# Altium PCB MOTOR SECOND.PcbDoc (part 3 of 4)
Units mil, origin at the board's own origin, x right, y up, seen from the top; angles counter-clockwise.
Board outline 3164.64 x 1945.03 mil, 2 copper layers (Top Layer, Bottom Layer); 69 components, 47 nets, 203 pads, 228 vias.
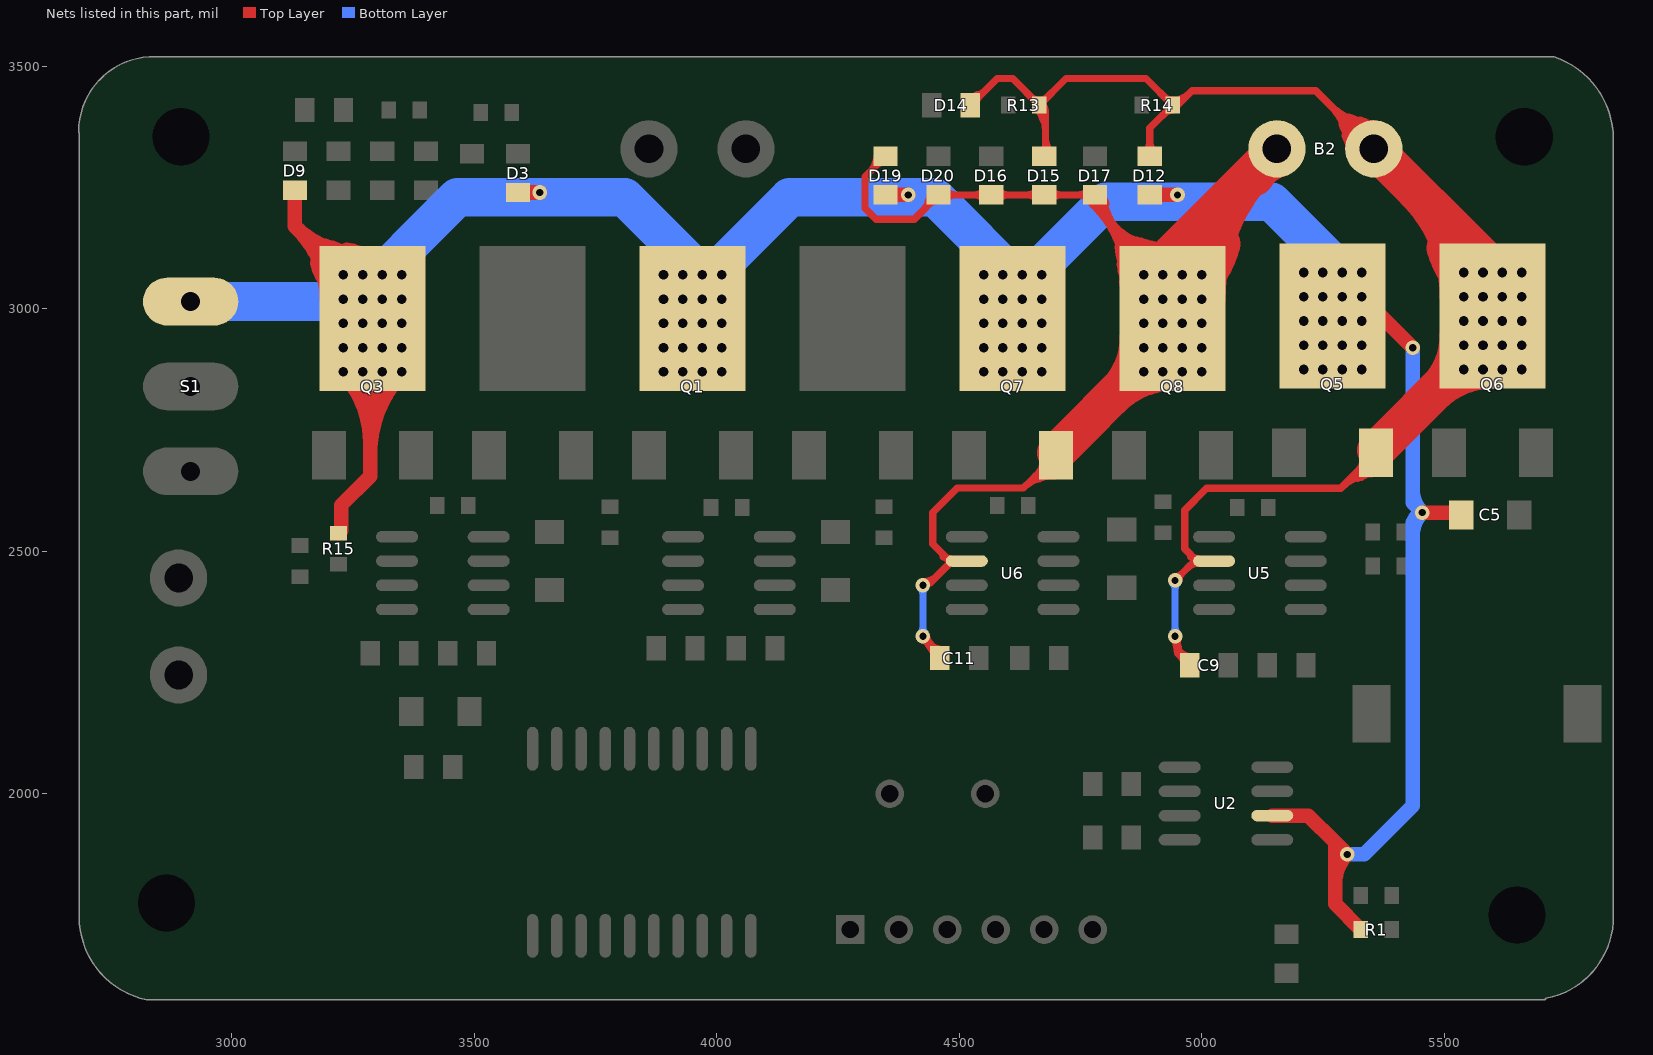
[diagram p3: the nets of this part, all layers, seen from the top]

## Via types
v1: diameter 31.5, hole 19.68, Top Layer to Bottom Layer, 160 vias
v2: diameter 30, hole 15, Top Layer to Bottom Layer, 68 vias

## Nets (pads, with @x,y where several pads share a name; then routed paths per layer and width w, separated by ;. In a path a pad name is that pad's centre, name@x,y a point inside that pad or via, vN(x,y) a via of type N, cw(c..) or ccw(c..) an arc to the next point about the centre after c; other vN are vias at no path point) (continued)
OUT1: B2.2 C11.2 D15.1 D16.1 D17.2 D19.1 D20.2 Q7.3 Q8.2 U6.6 | length 21023.9
  Top Layer w15: D19.1@4348,3315 4305.5,3272.5 4305.5,3207.75 4328.25,3185 4407,3185 D20.2@4457,3235 D16.1@4566,3235 D15.1@4675,3235 D17.2@4773,3235 ; v2(4425,2325) 4445,2295 C11.2@4460,2280 ; 4440,2435 4482.5,2477.5 4445,2515 4445,2580 4495.77,2630.77 4632.26,2630.77 ; 4472.75,2486.51 ccw(c4479.43,2492.39) U6.6@4482.52,2484.04 ; Q7.3@4699.76,2698.27 4632.26,2630.77 ; D17.2@4780,3235 4780,3210 ; D17.2@4796.9,3231.16 ccw(c4827.98,3221.13) 4804.88,3198.04 ; Q8.2@4859.38,3040.6 cw(c4847.66,3019.54) Q8.2@4871.75,3019.88 ; Q8.2@4866.7,3007.67 ccw(c4913.36,3014.18) Q8.2@4884.97,2976.58 ; v1(4920,3070) 4780,3210 ; Q8.2@4928.47,3094.54 cw(c4907.53,3052.33) Q8.2@4952.18,3067.37 ; Q8.2@4943.06,3106.18 ccw(c4988.85,3117.25) Q8.2@4964.3,3077.04 ; Q8.2@4968.25,3069.89 ccw(c5007.42,3069.36) Q8.2@4981.24,3040.21 ; Q8.2@4973.91,3047.12 ccw(c5010.81,3071.15) Q8.2@5001.7,3028.07 ; Q8.2@4982.35,3046.46 cw(c4962.96,3024.77) Q8.2@4991.82,3021.05 ; 4318.13,3285.13 ccw(c4288.25,3315) D19.1@4330.5,3315 ; 4318.13,3285.13 ccw(c4288.25,3315) D19.1@4330.5,3315 ; 4318.13,3285.13 ccw(c4288.25,3315) D19.1@4330.5,3315 ; D19.1@4326.7,3300.81 cw(c4349.95,3294.58) D19.1@4342.19,3317.37 ; D19.1@4326.7,3300.81 cw(c4349.95,3294.58) D19.1@4342.19,3317.37 ; D19.1@4326.7,3300.81 cw(c4349.95,3294.58) D19.1@4342.19,3317.37 ; D19.1@4330.2,3297.2 cw(c4343,3284.39) D19.1@4343,3302.5 ; D19.1@4330.2,3297.2 cw(c4343,3284.39) D19.1@4343,3302.5 ; D19.1@4330.2,3297.2 cw(c4343,3284.39) D19.1@4343,3302.5 ; v2@4423.53,2317.65 cw(c4419.98,2299.89) 4435.04,2309.93 ; v2@4423.53,2317.65 cw(c4419.98,2299.89) 4435.04,2309.93 ; v2@4423.53,2317.65 cw(c4419.98,2299.89) 4435.04,2309.93 ; v2@4425,2437.5 ccw(c4425,2479.75) 4454.87,2449.87 ; v2@4425,2437.5 ccw(c4425,2479.75) 4454.87,2449.87 ; v2@4425,2437.5 ccw(c4425,2479.75) 4454.87,2449.87 ; 4427.13,3205.13 ccw(c4397.25,3235) D20.2@4439.5,3235 ; 4427.13,3205.13 ccw(c4397.25,3235) D20.2@4439.5,3235 ; 4427.13,3205.13 ccw(c4397.25,3235) D20.2@4439.5,3235 ; v2@4428.21,2320.19 ccw(c4473.01,2350.06) C11.2@4462.45,2297.26 ; v2@4428.21,2320.19 ccw(c4473.01,2350.06) C11.2@4462.45,2297.26 ; v2@4428.21,2320.19 ccw(c4473.01,2350.06) C11.2@4462.45,2297.26 ; v2@4432.35,2323.53 ccw(c4450.11,2319.98) 4435.04,2309.93 ; v2@4432.35,2323.53 ccw(c4450.11,2319.98) 4435.04,2309.93 ; v2@4432.35,2323.53 ccw(c4450.11,2319.98) 4435.04,2309.93 ; v2@4432.48,2325.48 ccw(c4455.65,2326.98) 4440.33,2309.54 ; v2@4432.48,2325.48 ccw(c4455.65,2326.98) 4440.33,2309.54 ; v2@4432.48,2325.48 ccw(c4455.65,2326.98) 4440.33,2309.54 ; v2@4432.48,2325.48 ccw(c4455.65,2326.98) 4440.33,2309.54 ; v2@4432.48,2325.48 ccw(c4455.65,2326.98) 4440.33,2309.54 ; v2@4432.48,2325.48 ccw(c4455.65,2326.98) 4440.33,2309.54 ; D20.2@4435.7,3220.81 cw(c4458.95,3214.58) D20.2@4451.19,3237.37 ; D20.2@4435.7,3220.81 cw(c4458.95,3214.58) D20.2@4451.19,3237.37 ; D20.2@4435.7,3220.81 cw(c4458.95,3214.58) D20.2@4451.19,3237.37 ; D20.2@4439.2,3217.2 cw(c4452,3204.39) D20.2@4452,3222.5 ; D20.2@4439.2,3217.2 cw(c4452,3204.39) D20.2@4452,3222.5 ; D20.2@4439.2,3217.2 cw(c4452,3204.39) D20.2@4452,3222.5 ; 4467,2488.87 cw(c4461.66,2468.94) U6.6@4480.15,2478.09 ; 4467,2488.87 cw(c4461.66,2468.94) U6.6@4480.15,2478.09 ; 4467,2488.87 cw(c4461.66,2468.94) U6.6@4480.15,2478.09 ; 4469.8,2490.2 ccw(c4484.02,2504.41) U6.6@4484.02,2484.31 ; 4469.8,2490.2 ccw(c4484.02,2504.41) U6.6@4484.02,2484.31 ; 4469.8,2490.2 ccw(c4484.02,2504.41) U6.6@4484.02,2484.31 ; D20.2@4470.84,3226.16 cw(c4492.18,3204.82) 4492.18,3235 ; D20.2@4470.84,3226.16 cw(c4492.18,3204.82) 4492.18,3235 ; D20.2@4470.84,3226.16 cw(c4492.18,3204.82) 4492.18,3235 ; D20.2@4470.84,3243.84 ccw(c4492.18,3265.18) 4492.18,3235 ; D20.2@4470.84,3243.84 ccw(c4492.18,3265.18) 4492.18,3235 ; D20.2@4470.84,3243.84 ccw(c4492.18,3265.18) 4492.18,3235 ; 4475.96,2470.96 ccw(c4466.92,2480) U6.6@4479.7,2480 ; 4475.96,2470.96 ccw(c4466.92,2480) U6.6@4479.7,2480 ; 4475.96,2470.96 ccw(c4466.92,2480) U6.6@4479.7,2480 ; 4530.82,3235 ccw(c4530.82,3265.18) D16.1@4552.16,3243.84 ; 4530.82,3235 cw(c4530.82,3204.82) D16.1@4552.16,3226.16 ; 4530.82,3235 ccw(c4530.82,3265.18) D16.1@4552.16,3243.84 ; 4530.82,3235 cw(c4530.82,3204.82) D16.1@4552.16,3226.16 ; 4530.82,3235 ccw(c4530.82,3265.18) D16.1@4552.16,3243.84 ; 4530.82,3235 cw(c4530.82,3204.82) D16.1@4552.16,3226.16 ; D16.1@4579.84,3226.16 cw(c4601.18,3204.82) 4601.18,3235 ; D16.1@4579.84,3226.16 cw(c4601.18,3204.82) 4601.18,3235 ; D16.1@4579.84,3226.16 cw(c4601.18,3204.82) 4601.18,3235 ; D16.1@4579.84,3243.84 ccw(c4601.18,3265.18) 4601.18,3235 ; D16.1@4579.84,3243.84 ccw(c4601.18,3265.18) 4601.18,3235 ; D16.1@4579.84,3243.84 ccw(c4601.18,3265.18) 4601.18,3235 ; 4632.27,2630.77 cw(c4693.09,2569.95) Q7.3@4698.15,2655.82 ; 4632.27,2630.77 cw(c4693.09,2569.95) Q7.3@4698.15,2655.82 ; 4632.27,2630.77 cw(c4693.09,2569.95) Q7.3@4698.15,2655.82 ; 4639.82,3235 ccw(c4639.82,3265.18) D15.1@4661.16,3243.84 ; 4639.82,3235 cw(c4639.82,3204.82) D15.1@4661.16,3226.16 ; 4639.82,3235 ccw(c4639.82,3265.18) D15.1@4661.16,3243.84 ; 4639.82,3235 cw(c4639.82,3204.82) D15.1@4661.16,3226.16 ; 4639.82,3235 ccw(c4639.82,3265.18) D15.1@4661.16,3243.84 ; 4639.82,3235 cw(c4639.82,3204.82) D15.1@4661.16,3226.16 ; 4655.66,2647.07 ccw(c4642.06,2713.19) Q7.3@4701.98,2682.12 ; 4655.66,2647.07 ccw(c4642.06,2713.19) Q7.3@4701.98,2682.12 ; 4655.66,2647.07 ccw(c4642.06,2713.19) Q7.3@4701.98,2682.12 ; 4655.88,2654.39 cw(c4695.72,2614.55) Q7.3@4699.03,2670.79 ; 4655.88,2654.39 cw(c4695.72,2614.55) Q7.3@4699.03,2670.79 ; 4655.88,2654.39 cw(c4695.72,2614.55) Q7.3@4699.03,2670.79 ; 4663.43,2661.93 ccw(c4642.09,2683.27) Q7.3@4672.26,2683.27 ; 4663.43,2661.93 ccw(c4642.09,2683.27) Q7.3@4672.26,2683.27 ; 4663.43,2661.93 ccw(c4642.09,2683.27) Q7.3@4672.26,2683.27 ; D15.1@4688.84,3226.16 cw(c4710.18,3204.82) 4710.18,3235 ; D15.1@4688.84,3226.16 cw(c4710.18,3204.82) 4710.18,3235 ; D15.1@4688.84,3226.16 cw(c4710.18,3204.82) 4710.18,3235 ; D15.1@4688.84,3243.84 ccw(c4710.18,3265.18) 4710.18,3235 ; D15.1@4688.84,3243.84 ccw(c4710.18,3265.18) 4710.18,3235 ; D15.1@4688.84,3243.84 ccw(c4710.18,3265.18) 4710.18,3235 ; 4744.82,3235 ccw(c4744.82,3265.18) D17.2@4766.16,3243.84 ; 4744.82,3235 cw(c4744.82,3204.82) D17.2@4766.16,3226.16 ; 4744.82,3235 ccw(c4744.82,3265.18) D17.2@4766.16,3243.84 ; 4744.82,3235 cw(c4744.82,3204.82) D17.2@4766.16,3226.16 ; 4744.82,3235 ccw(c4744.82,3265.18) D17.2@4766.16,3243.84 ; 4744.82,3235 cw(c4744.82,3204.82) D17.2@4766.16,3226.16 ; D17.2@4767.5,3235 ccw(c4797.68,3235) 4776.34,3213.66 ; D17.2@4767.5,3235 ccw(c4797.68,3235) 4776.34,3213.66 ; D17.2@4767.5,3235 ccw(c4797.68,3235) 4776.34,3213.66 ; D17.2@4772.5,3225 cw(c4761.25,3210) 4780,3210 ; D17.2@4772.5,3225 cw(c4761.25,3210) 4780,3210 ; D17.2@4772.5,3225 cw(c4761.25,3210) 4780,3210 ; D17.2@4778.75,3224.17 cw(c4743.05,3162.34) 4812.02,3180.82 ; D17.2@4778.75,3224.17 cw(c4767.78,3205.18) 4788.97,3210.86 ; D17.2@4778.75,3224.17 cw(c4743.05,3162.34) 4812.02,3180.82 ; D17.2@4778.75,3224.17 cw(c4767.78,3205.18) 4788.97,3210.86 ; D17.2@4778.75,3224.17 cw(c4743.05,3162.34) 4812.02,3180.82 ; D17.2@4778.75,3224.17 cw(c4767.78,3205.18) 4788.97,3210.86 ; 4780,3210 cw(c4798.75,3210) D17.2@4787.5,3225 ; 4780.01,3209.99 cw(c4632.48,3062.46) Q8.2@4839.19,3034.16 ; 4780,3210 cw(c4798.75,3210) D17.2@4787.5,3225 ; 4780.01,3209.99 cw(c4632.48,3062.46) Q8.2@4839.19,3034.16 ; 4780,3210 cw(c4798.75,3210) D17.2@4787.5,3225 ; 4780.01,3209.99 cw(c4632.48,3062.46) Q8.2@4839.19,3034.16 ; D17.2@4782.5,3235 ccw(c4848.89,3235) 4801.95,3188.05 ; D17.2@4782.5,3235 ccw(c4848.89,3235) 4801.95,3188.05 ; D17.2@4782.5,3235 ccw(c4848.89,3235) 4801.95,3188.05 ; D17.2@4786.25,3237.17 cw(c4768.66,3206.69) D17.2@4802.65,3215.8 ; D17.2@4786.25,3237.17 cw(c4768.66,3206.69) D17.2@4802.65,3215.8 ; D17.2@4786.25,3237.17 cw(c4768.66,3206.69) D17.2@4802.65,3215.8 ; 4790.31,3205.85 cw(c4813.69,3212.11) D17.2@4794.77,3227.2 ; 4790.31,3205.85 cw(c4813.69,3212.11) D17.2@4794.77,3227.2 ; 4790.31,3205.85 cw(c4813.69,3212.11) D17.2@4794.77,3227.2 ; D17.2@4797.5,3235 ccw(c4900.1,3235) 4827.55,3162.45 ; D17.2@4797.5,3235 ccw(c4900.1,3235) 4827.55,3162.45 ; D17.2@4797.5,3235 ccw(c4900.1,3235) 4827.55,3162.45 ; 4801.38,3188.62 cw(c4670.07,3057.32) Q8.2@4854.05,3032.12 ; 4801.38,3188.62 cw(c4670.07,3057.32) Q8.2@4854.05,3032.12 ; 4801.38,3188.62 cw(c4670.07,3057.32) Q8.2@4854.05,3032.12 ; 4816.91,3173.09 ccw(c4940,3296.19) Q8.2@4940,3122.11 ; 4816.91,3173.09 ccw(c4940,3296.19) Q8.2@4940,3122.11 ; 4816.91,3173.09 ccw(c4940,3296.19) Q8.2@4940,3122.11 ; 4822.75,3167.25 cw(c4707.66,3052.17) Q8.2@4868.91,3030.09 ; 4822.75,3167.25 cw(c4707.66,3052.17) Q8.2@4868.91,3030.09 ; 4822.75,3167.25 cw(c4707.66,3052.17) Q8.2@4868.91,3030.09 ; 4827.34,3127.88 ccw(c5044.7,3155.35) Q8.2@4910.43,2982.23 ; 4827.34,3127.88 ccw(c5044.7,3155.35) Q8.2@4910.43,2982.23 ; 4827.34,3127.88 ccw(c5044.7,3155.35) Q8.2@4910.43,2982.23 ; Q8.2@4831.88,3091.95 ccw(c5013.31,3114.88) Q8.2@4901.24,2970.38 ; Q8.2@4831.88,3091.95 ccw(c5013.31,3114.88) Q8.2@4901.24,2970.38 ; Q8.2@4831.88,3091.95 ccw(c5013.31,3114.88) Q8.2@4901.24,2970.38 ; Q8.2@4836.43,3056.02 ccw(c4981.93,3074.41) Q8.2@4892.04,2958.52 ; Q8.2@4836.43,3056.02 ccw(c4981.93,3074.41) Q8.2@4892.04,2958.52 ; Q8.2@4836.43,3056.02 ccw(c4981.93,3074.41) Q8.2@4892.04,2958.52 ; 4842.51,3147.49 ccw(c4940,3244.97) Q8.2@4940,3107.11 ; 4842.51,3147.49 ccw(c4940,3244.97) Q8.2@4940,3107.11 ; 4842.51,3147.49 ccw(c4940,3244.97) Q8.2@4940,3107.11 ; 4844.11,3145.89 cw(c4745.25,3047.02) Q8.2@4883.77,3028.05 ; 4844.11,3145.89 cw(c4745.25,3047.02) Q8.2@4883.77,3028.05 ; 4844.11,3145.89 cw(c4745.25,3047.02) Q8.2@4883.77,3028.05 ; Q8.2@4851.81,3032.34 ccw(c4884.68,3050.4) Q8.2@4878.97,3013.33 ; Q8.2@4851.81,3032.34 ccw(c4884.68,3050.4) Q8.2@4878.97,3013.33 ; Q8.2@4851.81,3032.34 ccw(c4884.68,3050.4) Q8.2@4878.97,3013.33 ; Q8.2@4851.81,3032.34 ccw(c4884.68,3050.4) Q8.2@4878.97,3013.33 ; 4854.65,3144.98 cw(c4818.29,3009.31) Q8.2@4958.17,3022 ; 4854.65,3144.98 cw(c4818.29,3009.31) Q8.2@4958.17,3022 ; 4854.65,3144.98 cw(c4818.29,3009.31) Q8.2@4958.17,3022 ; Q8.2@4857.13,3046.48 ccw(c4891.87,3067.27) Q8.2@4882.01,3028 ; Q8.2@4857.13,3046.48 ccw(c4891.87,3067.27) Q8.2@4882.01,3028 ; Q8.2@4857.13,3046.48 ccw(c4891.87,3067.27) Q8.2@4882.01,3028 ; Q8.2@4857.13,3046.48 ccw(c4891.87,3067.27) Q8.2@4882.01,3028 ; Q8.2@4857.36,3109.33 ccw(c4909.29,3125.3) Q8.2@4883.86,3077.29 ; Q8.2@4857.36,3109.33 ccw(c4909.29,3125.3) Q8.2@4883.86,3077.29 ; Q8.2@4857.36,3109.33 ccw(c4909.29,3125.3) Q8.2@4883.86,3077.29 ; Q8.2@4857.36,3109.33 ccw(c4909.29,3125.3) Q8.2@4883.86,3077.29 ; Q8.2@4857.36,3109.33 ccw(c4909.29,3125.3) Q8.2@4883.86,3077.29 ; Q8.2@4857.36,3109.33 ccw(c4909.29,3125.3) Q8.2@4883.86,3077.29 ; Q8.2@4858,3019.09 cw(c4808.5,2978.85) Q8.2@4871.81,2971.01 ; Q8.2@4858,3019.09 cw(c4808.5,2978.85) Q8.2@4871.81,2971.01 ; Q8.2@4858,3019.09 cw(c4808.5,2978.85) Q8.2@4871.81,2971.01 ; Q8.2@4858,3019.09 cw(c4808.5,2978.85) Q8.2@4871.81,2971.01 ; Q8.2@4862.83,3096.83 cw(c4842.96,3075.45) Q8.2@4871.84,3071.2 ; Q8.2@4862.83,3096.83 cw(c4842.96,3075.45) Q8.2@4871.84,3071.2 ; Q8.2@4862.83,3096.83 cw(c4842.96,3075.45) Q8.2@4871.84,3071.2 ; Q8.2@4862.83,3096.83 cw(c4842.96,3075.45) Q8.2@4871.84,3071.2 ; Q8.2@4865.48,3124.52 cw(c4782.84,3041.87) Q8.2@4898.63,3026.02 ; Q8.2@4865.48,3124.52 cw(c4782.84,3041.87) Q8.2@4898.63,3026.02 ; Q8.2@4865.48,3124.52 cw(c4782.84,3041.87) Q8.2@4898.63,3026.02 ; Q8.2@4866.2,2992.57 cw(c4843.12,2975.05) Q8.2@4871.83,2971.12 ; Q8.2@4866.2,2992.57 cw(c4843.12,2975.05) Q8.2@4871.83,2971.12 ; Q8.2@4866.2,2992.57 cw(c4843.12,2975.05) Q8.2@4871.83,2971.12 ; Q8.2@4866.2,2992.57 cw(c4843.12,2975.05) Q8.2@4871.83,2971.12 ; Q8.2@4868.12,3121.88 ccw(c4940,3193.76) Q8.2@4940,3092.11 ; Q8.2@4868.12,3121.88 ccw(c4940,3193.76) Q8.2@4940,3092.11 ; Q8.2@4868.12,3121.88 ccw(c4940,3193.76) Q8.2@4940,3092.11 ; Q8.2@4868.18,3065.95 ccw(c4925.24,3067.11) Q8.2@4885.71,3025.95 ; Q8.2@4868.18,3065.95 ccw(c4925.24,3067.11) Q8.2@4885.71,3025.95 ; Q8.2@4868.18,3065.95 ccw(c4925.24,3067.11) Q8.2@4885.71,3025.95 ; Q8.2@4868.18,3065.95 ccw(c4925.24,3067.11) Q8.2@4885.71,3025.95 ; Q8.2@4868.18,3065.95 ccw(c4925.24,3067.11) Q8.2@4885.71,3025.95 ; Q8.2@4868.18,3065.95 ccw(c4925.24,3067.11) Q8.2@4885.71,3025.95 ; Q8.2@4868.84,3024.7 cw(c4924.85,3023.98) Q8.2@4885.76,3064.09 ; Q8.2@4868.84,3024.7 cw(c4924.85,3023.98) Q8.2@4885.76,3064.09 ; Q8.2@4868.84,3024.7 cw(c4924.85,3023.98) Q8.2@4885.76,3064.09 ; Q8.2@4868.84,3024.7 cw(c4924.85,3023.98) Q8.2@4885.76,3064.09 ; Q8.2@4868.84,3024.7 cw(c4924.85,3023.98) Q8.2@4885.76,3064.09 ; Q8.2@4868.84,3024.7 cw(c4924.85,3023.98) Q8.2@4885.76,3064.09 ; Q8.2@4870.82,3116.38 cw(c4833.22,3093.41) Q8.2@4872.62,3073.69 ; Q8.2@4870.82,3116.38 cw(c4833.22,3093.41) Q8.2@4872.62,3073.69 ; Q8.2@4870.82,3116.38 cw(c4833.22,3093.41) Q8.2@4872.62,3073.69 ; Q8.2@4870.82,3116.38 cw(c4833.22,3093.41) Q8.2@4872.62,3073.69 ; Q8.2@4870.82,3116.38 cw(c4833.22,3093.41) Q8.2@4872.62,3073.69 ; Q8.2@4870.82,3116.38 cw(c4833.22,3093.41) Q8.2@4872.62,3073.69 ; Q8.2@4872.4,3073.21 ccw(c4844.73,3084.88) Q8.2@4872.55,3096.19 ; Q8.2@4872.4,3073.21 ccw(c4844.73,3084.88) Q8.2@4872.55,3096.19 ; Q8.2@4872.4,3073.21 ccw(c4844.73,3084.88) Q8.2@4872.55,3096.19 ; Q8.2@4872.4,3073.21 ccw(c4844.73,3084.88) Q8.2@4872.55,3096.19 ; Q8.2@4872.4,3073.21 ccw(c4844.73,3084.88) Q8.2@4872.55,3096.19 ; Q8.2@4872.4,3073.21 ccw(c4844.73,3084.88) Q8.2@4872.55,3096.19 ; Q8.2@4872.59,3047.65 cw(c4852.76,3035.66) Q8.2@4872.85,3024.11 ; Q8.2@4872.59,3047.65 cw(c4852.76,3035.66) Q8.2@4872.85,3024.11 ; Q8.2@4872.59,3047.65 cw(c4852.76,3035.66) Q8.2@4872.85,3024.11 ; Q8.2@4872.59,3047.65 cw(c4852.76,3035.66) Q8.2@4872.85,3024.11 ; Q8.2@4872.98,3065.68 cw(c4854.24,3054.14) Q8.2@4873.15,3042.89 ; Q8.2@4872.98,3065.68 cw(c4854.24,3054.14) Q8.2@4873.15,3042.89 ; Q8.2@4872.98,3065.68 cw(c4854.24,3054.14) Q8.2@4873.15,3042.89 ; Q8.2@4872.98,3065.68 cw(c4854.24,3054.14) Q8.2@4873.15,3042.89 ; Q8.2@4873.54,3021.98 ccw(c4903.58,3012.76) Q8.2@4880.92,2991 ; Q8.2@4873.54,3021.98 ccw(c4903.58,3012.76) Q8.2@4880.92,2991 ; Q8.2@4873.54,3021.98 ccw(c4903.58,3012.76) Q8.2@4880.92,2991 ; Q8.2@4873.54,3021.98 ccw(c4903.58,3012.76) Q8.2@4880.92,2991 ; Q8.2@4874.26,3064.08 cw(c4852.92,3042.09) Q8.2@4883.55,3042.56 ; Q8.2@4874.26,3064.08 cw(c4852.92,3042.09) Q8.2@4883.55,3042.56 ; Q8.2@4874.26,3064.08 cw(c4852.92,3042.09) Q8.2@4883.55,3042.56 ; Q8.2@4874.26,3064.08 cw(c4852.92,3042.09) Q8.2@4883.55,3042.56 ; Q8.2@4874.26,3064.08 cw(c4852.92,3042.09) Q8.2@4883.55,3042.56 ; Q8.2@4874.26,3064.08 cw(c4852.92,3042.09) Q8.2@4883.55,3042.56 ; 4875.41,3139.41 cw(c4841.1,3011.38) Q8.2@4973.11,3023.36 ; 4875.41,3139.41 cw(c4841.1,3011.38) Q8.2@4973.11,3023.36 ; 4875.41,3139.41 cw(c4841.1,3011.38) Q8.2@4973.11,3023.36 ; Q8.2@4875.49,3026.9 ccw(c4866.34,3040.9) Q8.2@4883.03,3041.79 ; Q8.2@4875.49,3026.9 ccw(c4866.34,3040.9) Q8.2@4883.03,3041.79 ; Q8.2@4875.49,3026.9 ccw(c4866.34,3040.9) Q8.2@4883.03,3041.79 ; Q8.2@4875.49,3026.9 ccw(c4866.34,3040.9) Q8.2@4883.03,3041.79 ; Q8.2@4875.49,3026.9 ccw(c4866.34,3040.9) Q8.2@4883.03,3041.79 ; Q8.2@4875.49,3026.9 ccw(c4866.34,3040.9) Q8.2@4883.03,3041.79 ; Q8.2@4880.21,2991.78 cw(c4856.93,2972.86) Q8.2@4886.7,2969.17 ; Q8.2@4880.21,2991.78 cw(c4856.93,2972.86) Q8.2@4886.7,2969.17 ; Q8.2@4880.21,2991.78 cw(c4856.93,2972.86) Q8.2@4886.7,2969.17 ; Q8.2@4880.21,2991.78 cw(c4856.93,2972.86) Q8.2@4886.7,2969.17 ; Q8.2@4881.72,2961.93 cw(c4883.96,2951.46) Q8.2@4892.49,2957.93 ; Q8.2@4881.72,2961.93 cw(c4883.96,2951.46) Q8.2@4892.49,2957.93 ; Q8.2@4881.72,2961.93 cw(c4883.96,2951.46) Q8.2@4892.49,2957.93 ; Q8.2@4881.72,2961.93 cw(c4883.96,2951.46) Q8.2@4892.49,2957.93 ; Q8.2@4883.55,3062.56 cw(c4887.71,3053.85) Q8.2@4895.56,3059.47 ; Q8.2@4883.55,3062.56 cw(c4887.71,3053.85) Q8.2@4895.56,3059.47 ; Q8.2@4883.55,3062.56 cw(c4887.71,3053.85) Q8.2@4895.56,3059.47 ; Q8.2@4883.55,3062.56 cw(c4887.71,3053.85) Q8.2@4895.56,3059.47 ; Q8.2@4883.55,3062.56 cw(c4887.71,3053.85) Q8.2@4895.56,3059.47 ; Q8.2@4883.55,3062.56 cw(c4887.71,3053.85) Q8.2@4895.56,3059.47 ; Q8.2@4883.55,3062.56 cw(c4887.71,3053.85) Q8.2@4895.56,3059.47 ; Q8.2@4883.55,3062.56 cw(c4887.71,3053.85) Q8.2@4895.56,3059.47 ; Q8.2@4884.29,3075.22 cw(c4863.25,3049.61) Q8.2@4896.23,3052.85 ; Q8.2@4884.29,3075.22 cw(c4863.25,3049.61) Q8.2@4896.23,3052.85 ; Q8.2@4884.29,3075.22 cw(c4863.25,3049.61) Q8.2@4896.23,3052.85 ; Q8.2@4884.29,3075.22 cw(c4863.25,3049.61) Q8.2@4896.23,3052.85 ; Q8.2@4884.29,3075.22 cw(c4863.25,3049.61) Q8.2@4896.23,3052.85 ; Q8.2@4884.29,3075.22 cw(c4863.25,3049.61) Q8.2@4896.23,3052.85 ; Q8.2@4884.29,3075.22 cw(c4863.25,3049.61) Q8.2@4896.23,3052.85 ; Q8.2@4884.29,3075.22 cw(c4863.25,3049.61) Q8.2@4896.23,3052.85 ; Q8.2@4884.29,3075.22 cw(c4863.25,3049.61) Q8.2@4896.23,3052.85 ; Q8.2@4884.29,3075.22 cw(c4863.25,3049.61) Q8.2@4896.23,3052.85 ; Q8.2@4884.29,3075.22 cw(c4863.25,3049.61) Q8.2@4896.23,3052.85 ; Q8.2@4884.29,3075.22 cw(c4863.25,3049.61) Q8.2@4896.23,3052.85 ; Q8.2@4884.93,3093.29 cw(c4861.75,3079.13) Q8.2@4886.04,3066.98 ; Q8.2@4884.93,3093.29 cw(c4861.75,3079.13) Q8.2@4886.04,3066.98 ; Q8.2@4884.93,3093.29 cw(c4861.75,3079.13) Q8.2@4886.04,3066.98 ; Q8.2@4884.93,3093.29 cw(c4861.75,3079.13) Q8.2@4886.04,3066.98 ; Q8.2@4884.93,3093.29 cw(c4861.75,3079.13) Q8.2@4886.04,3066.98 ; Q8.2@4884.93,3093.29 cw(c4861.75,3079.13) Q8.2@4886.04,3066.98 ; Q8.2@4887.89,3017.58 ccw(c4931.5,3004.2) Q8.2@4898.6,2972.6 ; Q8.2@4887.89,3017.58 ccw(c4931.5,3004.2) Q8.2@4898.6,2972.6 ; Q8.2@4887.89,3017.58 ccw(c4931.5,3004.2) Q8.2@4898.6,2972.6 ; Q8.2@4887.89,3017.58 ccw(c4931.5,3004.2) Q8.2@4898.6,2972.6 ; Q8.2@4888.25,3020.09 ccw(c4927.72,3020.53) Q8.2@4900.12,2992.31 ; Q8.2@4888.25,3020.09 ccw(c4927.72,3020.53) Q8.2@4900.12,2992.31 ; Q8.2@4888.25,3020.09 ccw(c4927.72,3020.53) Q8.2@4900.12,2992.31 ; Q8.2@4888.25,3020.09 ccw(c4927.72,3020.53) Q8.2@4900.12,2992.31 ; 4896.17,3133.85 cw(c4863.91,3013.45) Q8.2@4988.05,3024.72 ; 4896.17,3133.85 cw(c4863.91,3013.45) Q8.2@4988.05,3024.72 ; 4896.17,3133.85 cw(c4863.91,3013.45) Q8.2@4988.05,3024.72 ; Q8.2@4903.7,2988.83 cw(c4884.9,2969.65) Q8.2@4911.75,2969.92 ; Q8.2@4903.7,2988.83 cw(c4884.9,2969.65) Q8.2@4911.75,2969.92 ; Q8.2@4903.7,2988.83 cw(c4884.9,2969.65) Q8.2@4911.75,2969.92 ; Q8.2@4903.7,2988.83 cw(c4884.9,2969.65) Q8.2@4911.75,2969.92 ; Q8.2@4905.92,3084.08 ccw(c4920,3098.16) Q8.2@4920,3078.25 ; Q8.2@4905.92,3084.08 cw(c4891.84,3070) Q8.2@4911.75,3070 ; Q8.2@4905.92,3084.08 ccw(c4920,3098.16) Q8.2@4920,3078.25 ; Q8.2@4905.92,3084.08 cw(c4891.84,3070) Q8.2@4911.75,3070 ; Q8.2@4905.92,3084.08 ccw(c4920,3098.16) Q8.2@4920,3078.25 ; Q8.2@4905.92,3084.08 cw(c4891.84,3070) Q8.2@4911.75,3070 ; Q8.2@4916.94,3128.29 cw(c4886.72,3015.52) Q8.2@5002.99,3026.07 ; Q8.2@4916.94,3128.29 cw(c4886.72,3015.52) Q8.2@5002.99,3026.07 ; Q8.2@4916.94,3128.29 cw(c4886.72,3015.52) Q8.2@5002.99,3026.07 ; Q8.2@4919.03,3106.7 ccw(c4974.87,3143.82) Q8.2@4961.63,3078.09 ; Q8.2@4919.03,3106.7 ccw(c4974.87,3143.82) Q8.2@4961.63,3078.09 ; Q8.2@4919.03,3106.7 ccw(c4974.87,3143.82) Q8.2@4961.63,3078.09 ; Q8.2@4919.03,3106.7 ccw(c4974.87,3143.82) Q8.2@4961.63,3078.09 ; Q8.2@4934.06,3116.08 cw(c4887.54,3071.79) Q8.2@4951.75,3070.2 ; Q8.2@4934.06,3116.08 cw(c4887.54,3071.79) Q8.2@4951.75,3070.2 ; Q8.2@4934.06,3116.08 cw(c4887.54,3071.79) Q8.2@4951.75,3070.2 ; Q8.2@4934.06,3116.08 cw(c4887.54,3071.79) Q8.2@4951.75,3070.2 ; Q8.2@4939.07,3076.54 ccw(c4964.76,3093.61) Q8.2@4958.67,3063.38 ; Q8.2@4939.07,3076.54 ccw(c4964.76,3093.61) Q8.2@4958.67,3063.38 ; Q8.2@4939.07,3076.54 ccw(c4964.76,3093.61) Q8.2@4958.67,3063.38 ; Q8.2@4939.07,3076.54 ccw(c4964.76,3093.61) Q8.2@4958.67,3063.38 ; Q8.2@4947.05,3085.54 cw(c4931.5,3072.41) Q8.2@4951.78,3070.69 ; Q8.2@4947.05,3085.54 cw(c4931.5,3072.41) Q8.2@4951.78,3070.69 ; Q8.2@4947.05,3085.54 cw(c4931.5,3072.41) Q8.2@4951.78,3070.69 ; Q8.2@4947.05,3085.54 cw(c4931.5,3072.41) Q8.2@4951.78,3070.69 ; Q8.2@4947.46,3085.06 ccw(c4962.34,3097.62) Q8.2@4960.69,3078.22 ; Q8.2@4947.46,3085.06 ccw(c4962.34,3097.62) Q8.2@4960.69,3078.22 ; Q8.2@4947.46,3085.06 ccw(c4962.34,3097.62) Q8.2@4960.69,3078.22 ; Q8.2@4947.46,3085.06 ccw(c4962.34,3097.62) Q8.2@4960.69,3078.22 ; Q8.2@4952.16,3041.32 ccw(c4974.92,3048.4) Q8.2@4963.84,3027.3 ; Q8.2@4952.16,3041.32 ccw(c4974.92,3048.4) Q8.2@4963.84,3027.3 ; Q8.2@4952.16,3041.32 ccw(c4974.92,3048.4) Q8.2@4963.84,3027.3 ; Q8.2@4952.16,3041.32 ccw(c4974.92,3048.4) Q8.2@4963.84,3027.3 ; Q8.2@4952.7,3023.84 ccw(c4938.54,3031.27) Q8.2@4953.81,3036.02 ; Q8.2@4952.7,3023.84 ccw(c4938.54,3031.27) Q8.2@4953.81,3036.02 ; Q8.2@4952.7,3023.84 ccw(c4938.54,3031.27) Q8.2@4953.81,3036.02 ; Q8.2@4952.7,3023.84 ccw(c4938.54,3031.27) Q8.2@4953.81,3036.02 ; Q8.2@4953.89,3025.54 ccw(c4927.74,3049.3) Q8.2@4961.39,3060.05 ; Q8.2@4953.89,3025.54 ccw(c4927.74,3049.3) Q8.2@4961.39,3060.05 ; Q8.2@4953.89,3025.54 ccw(c4927.74,3049.3) Q8.2@4961.39,3060.05 ; Q8.2@4953.89,3025.54 ccw(c4927.74,3049.3) Q8.2@4961.39,3060.05 ; Q8.2@4954.45,3063.9 cw(c4938.94,3046.84) Q8.2@4961.97,3047.93 ; Q8.2@4954.45,3063.9 cw(c4938.94,3046.84) Q8.2@4961.97,3047.93 ; Q8.2@4954.45,3063.9 cw(c4938.94,3046.84) Q8.2@4961.97,3047.93 ; Q8.2@4954.45,3063.9 cw(c4938.94,3046.84) Q8.2@4961.97,3047.93 ; Q8.2@4954.45,3063.9 cw(c4938.94,3046.84) Q8.2@4961.97,3047.93 ; Q8.2@4955.98,3062.8 cw(c4946.48,3045.76) Q8.2@4965.24,3051.09 ; Q8.2@4955.98,3062.8 cw(c4946.48,3045.76) Q8.2@4965.24,3051.09 ; Q8.2@4955.98,3062.8 cw(c4946.48,3045.76) Q8.2@4965.24,3051.09 ; Q8.2@4955.98,3062.8 cw(c4946.48,3045.76) Q8.2@4965.24,3051.09 ; Q8.2@4956.26,3062.65 cw(c4927.64,3006.29) Q8.2@4987.73,3025.9 ; Q8.2@4956.26,3062.65 cw(c4927.64,3006.29) Q8.2@4987.73,3025.9 ; Q8.2@4956.26,3062.65 cw(c4927.64,3006.29) Q8.2@4987.73,3025.9 ; Q8.2@4956.26,3062.65 cw(c4927.64,3006.29) Q8.2@4987.73,3025.9 ; Q8.2@4959.03,3089.85 cw(c4938.73,3070.52) Q8.2@4966.75,3069.83 ; Q8.2@4959.03,3089.85 cw(c4938.73,3070.52) Q8.2@4966.75,3069.83 ; Q8.2@4959.03,3089.85 cw(c4938.73,3070.52) Q8.2@4966.75,3069.83 ; Q8.2@4959.03,3089.85 cw(c4938.73,3070.52) Q8.2@4966.75,3069.83 ; Q8.2@4961.76,3052.37 cw(c4978.51,3053.17) Q8.2@4966.1,3064.45 ; Q8.2@4961.76,3052.37 cw(c4978.51,3053.17) Q8.2@4966.1,3064.45 ; Q8.2@4961.76,3052.37 cw(c4978.51,3053.17) Q8.2@4966.1,3064.45 ; Q8.2@4961.76,3052.37 cw(c4978.51,3053.17) Q8.2@4966.1,3064.45 ; Q8.2@4961.76,3052.37 cw(c4978.51,3053.17) Q8.2@4966.1,3064.45 ; Q8.2@4963.06,3076.02 cw(c4950.83,3051.95) Q8.2@4976.5,3060.33 ; Q8.2@4963.06,3076.02 cw(c4950.83,3051.95) Q8.2@4976.5,3060.33 ; Q8.2@4963.06,3076.02 cw(c4950.83,3051.95) Q8.2@4976.5,3060.33 ; Q8.2@4963.06,3076.02 cw(c4950.83,3051.95) Q8.2@4976.5,3060.33 ; Q8.2@4965,3015.46 ccw(c4949.98,3029.1) Q8.2@4969.31,3035.28 ; Q8.2@4965,3015.46 ccw(c4949.98,3029.1) Q8.2@4969.31,3035.28 ; Q8.2@4965,3015.46 ccw(c4949.98,3029.1) Q8.2@4969.31,3035.28 ; Q8.2@4965,3015.46 ccw(c4949.98,3029.1) Q8.2@4969.31,3035.28 ; Q8.2@4965.4,3050.53 cw(c4984.95,3056.08) Q8.2@4967.2,3065.98 ; Q8.2@4965.4,3050.53 cw(c4984.95,3056.08) Q8.2@4967.2,3065.98 ; Q8.2@4965.4,3050.53 cw(c4984.95,3056.08) Q8.2@4967.2,3065.98 ; Q8.2@4965.4,3050.53 cw(c4984.95,3056.08) Q8.2@4967.2,3065.98 ; Q8.2@4967.56,3094.65 ccw(c5003.89,3126.29) Q8.2@5000.57,3078.23 ; Q8.2@4967.56,3094.65 ccw(c5003.89,3126.29) Q8.2@5000.57,3078.23 ; Q8.2@4967.56,3094.65 ccw(c5003.89,3126.29) Q8.2@5000.57,3078.23 ; Q8.2@4967.56,3094.65 ccw(c5003.89,3126.29) Q8.2@5000.57,3078.23 ; Q8.2@4976.95,3058.49 ccw(c5027.91,3075.24) Q8.2@5003.72,3027.36 ; Q8.2@4976.95,3058.49 ccw(c5027.91,3075.24) Q8.2@5003.72,3027.36 ; Q8.2@4976.95,3058.49 ccw(c5027.91,3075.24) Q8.2@5003.72,3027.36 ; Q8.2@4976.95,3058.49 ccw(c5027.91,3075.24) Q8.2@5003.72,3027.36 ; Q8.2@4992.6,3023.65 ccw(c4960.1,3039.68) Q8.2@4994.42,3051.33 ; Q8.2@4992.6,3023.65 ccw(c4960.1,3039.68) Q8.2@4994.42,3051.33 ; Q8.2@4992.6,3023.65 ccw(c4960.1,3039.68) Q8.2@4994.42,3051.33 ; Q8.2@4992.6,3023.65 ccw(c4960.1,3039.68) Q8.2@4994.42,3051.33 ; Q8.2@4998.98,3040.28 cw(c5021.66,3046.69) Q8.2@5005.61,3063.96 ; Q8.2@4998.98,3040.28 cw(c5021.66,3046.69) Q8.2@5005.61,3063.96 ; Q8.2@4998.98,3040.28 cw(c5021.66,3046.69) Q8.2@5005.61,3063.96 ; Q8.2@4998.98,3040.28 cw(c5021.66,3046.69) Q8.2@5005.61,3063.96